# Altium PCB touch.gfx.PcbDoc (part 1 of 3)
Units mm, origin at the board's own origin, x right, y up, seen from the top; angles counter-clockwise.
Board outline 116.01 x 112.64 mm, 2 copper layers (Top Layer, Bottom Layer); 211 components, 219 nets, 923 pads, 396 vias.
Unrouted connection lines stored in the file: 1.
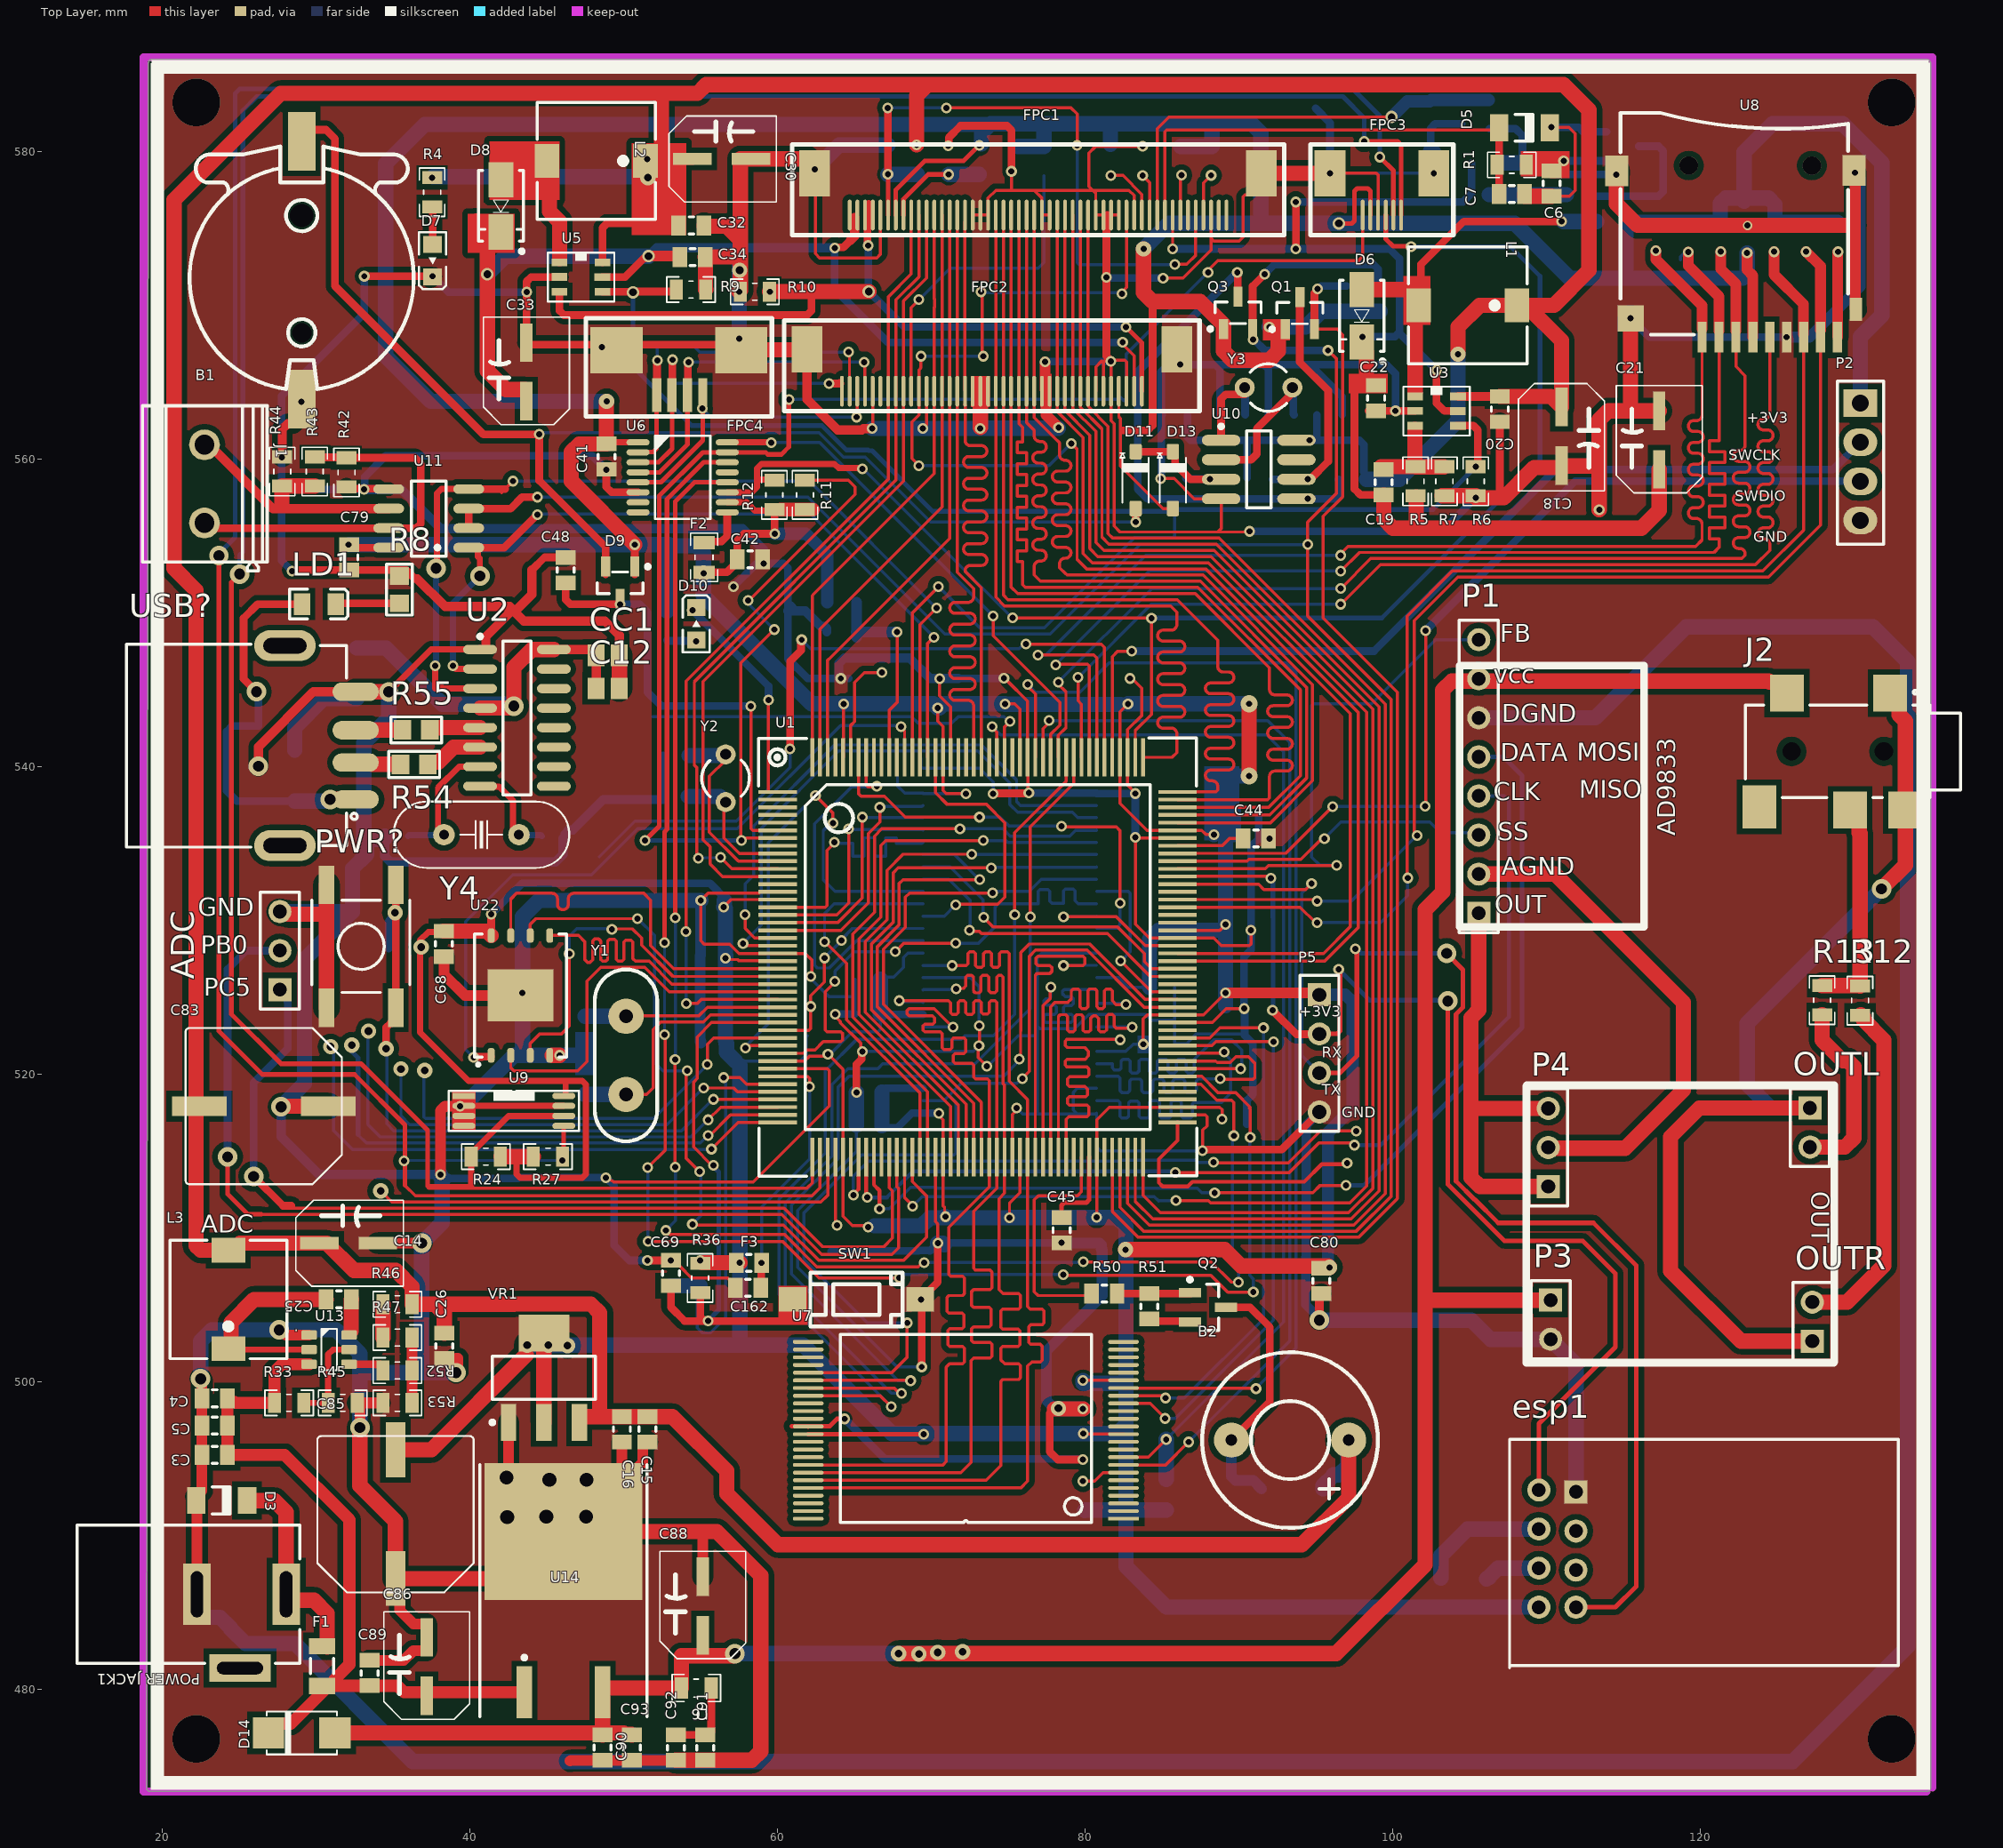
[diagram p0: Top Layer view]
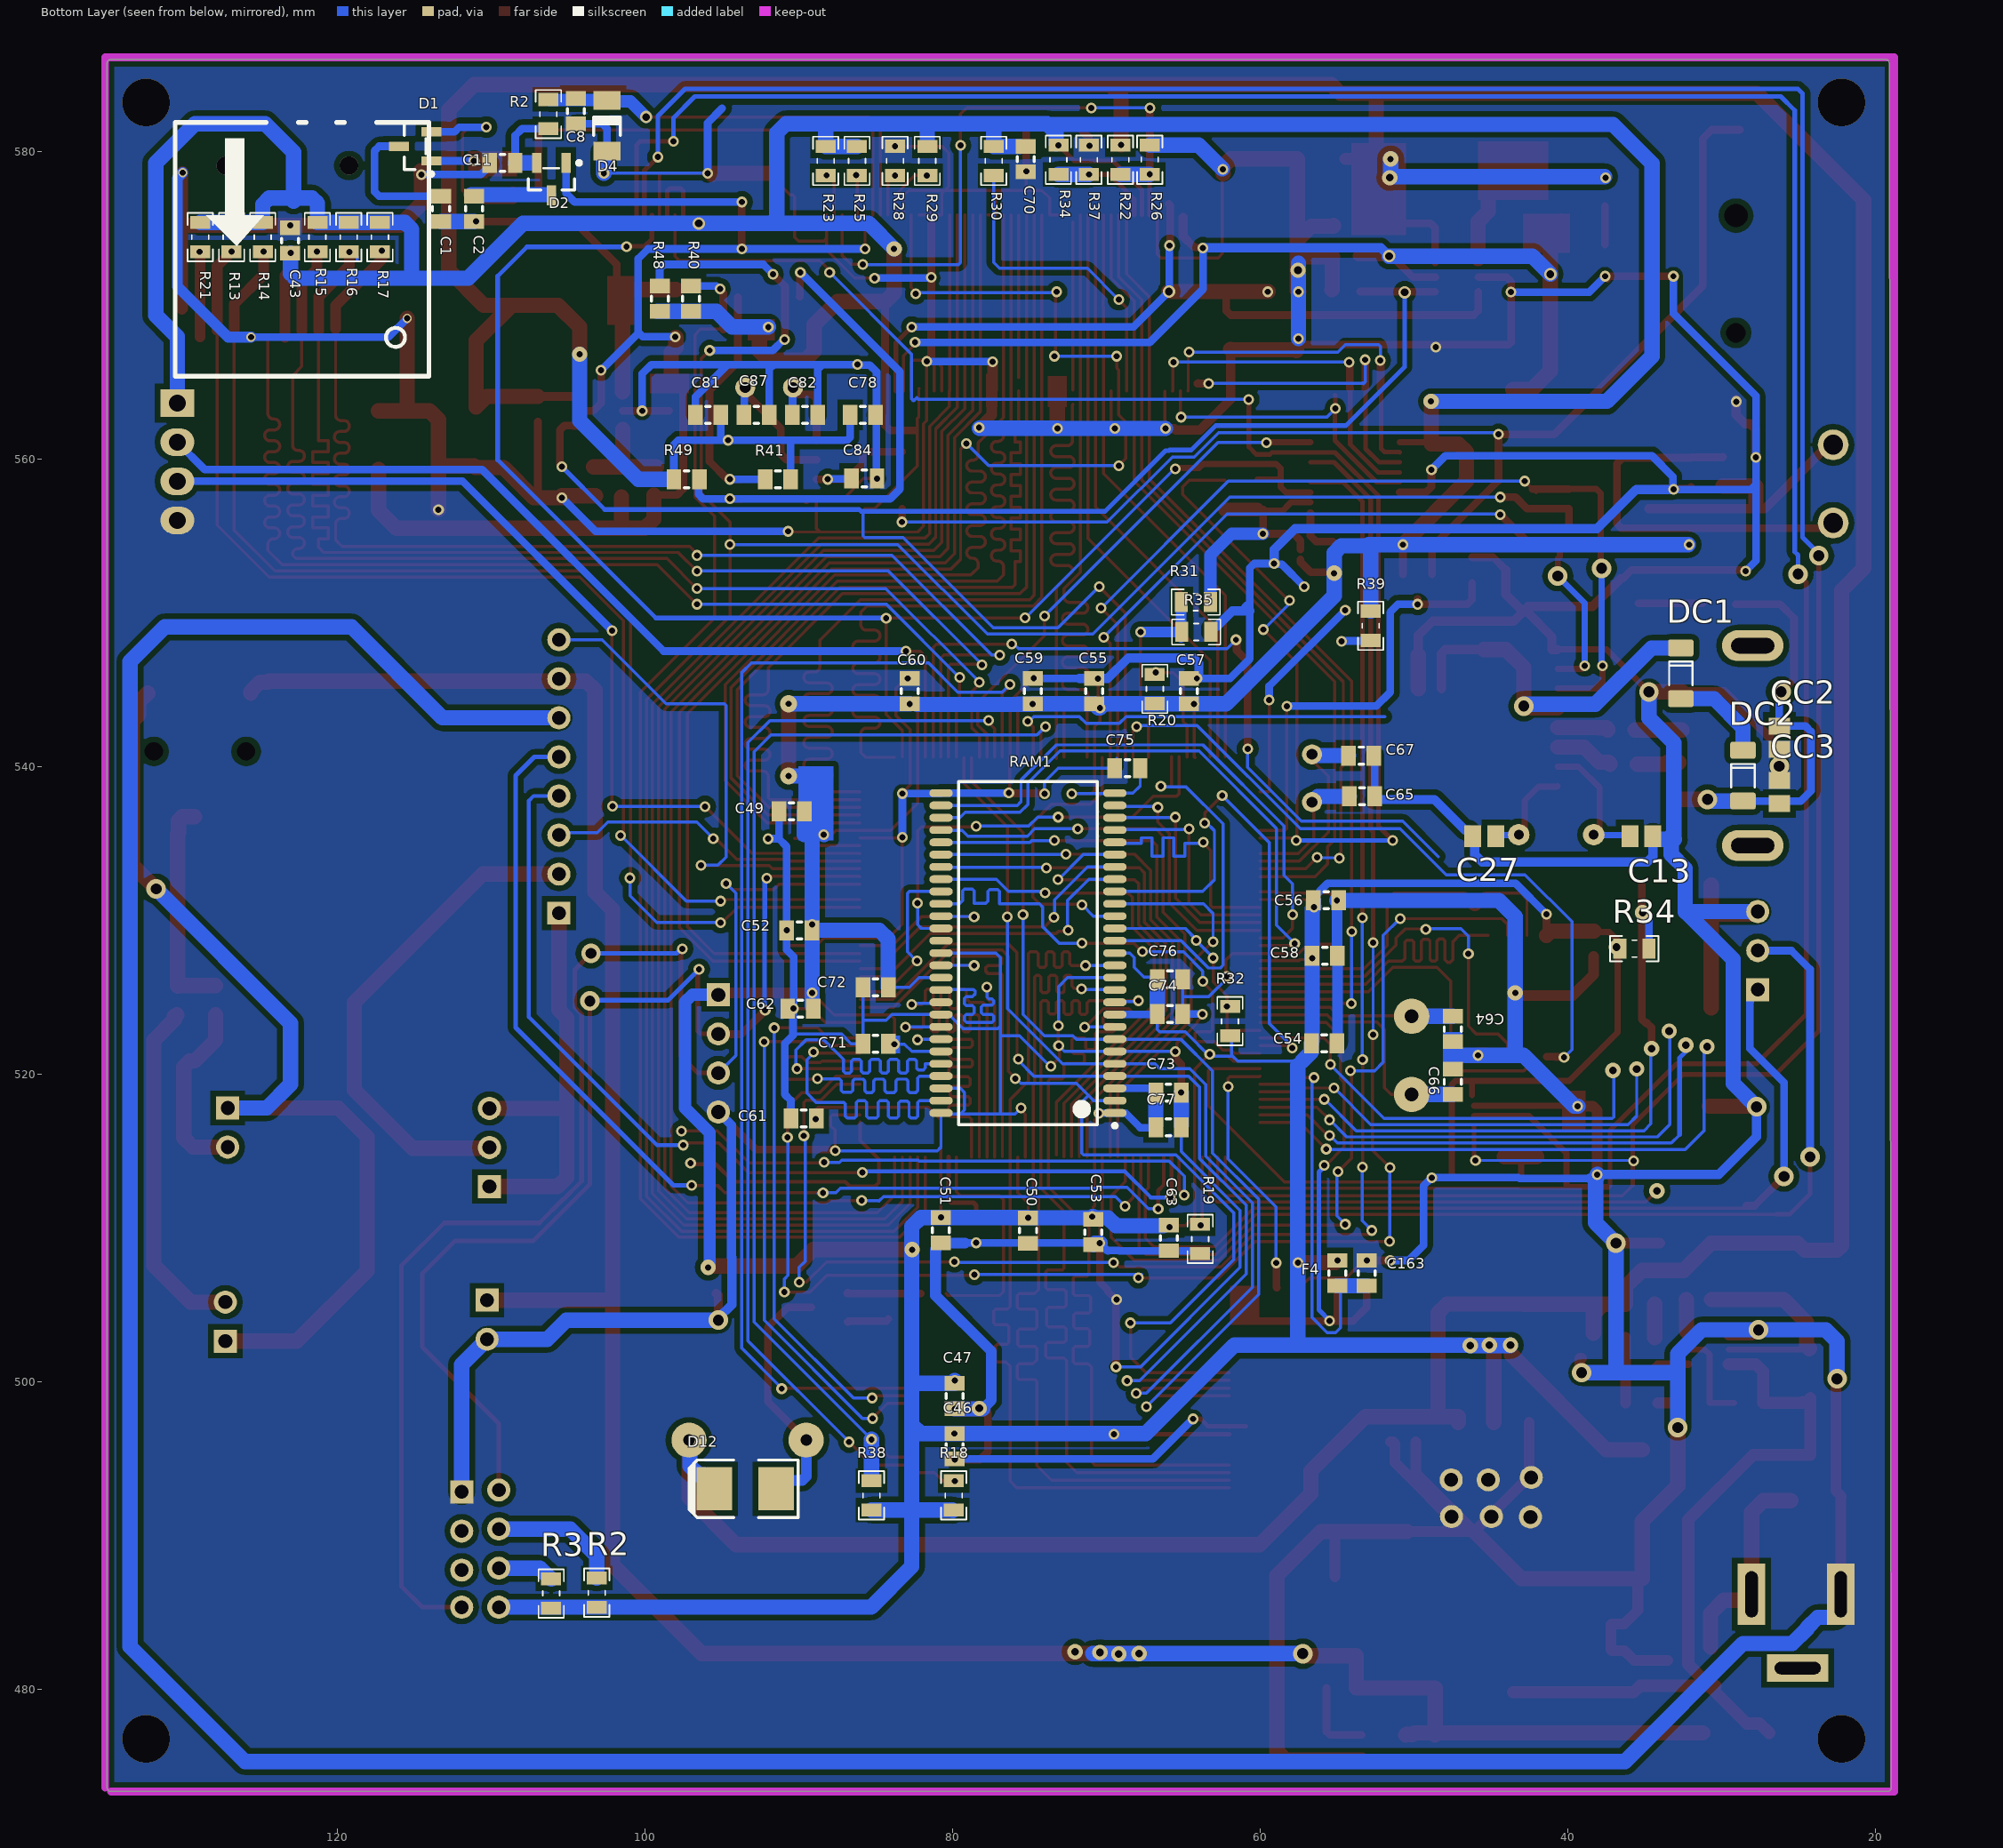
[diagram p1: Bottom Layer view, seen from below]
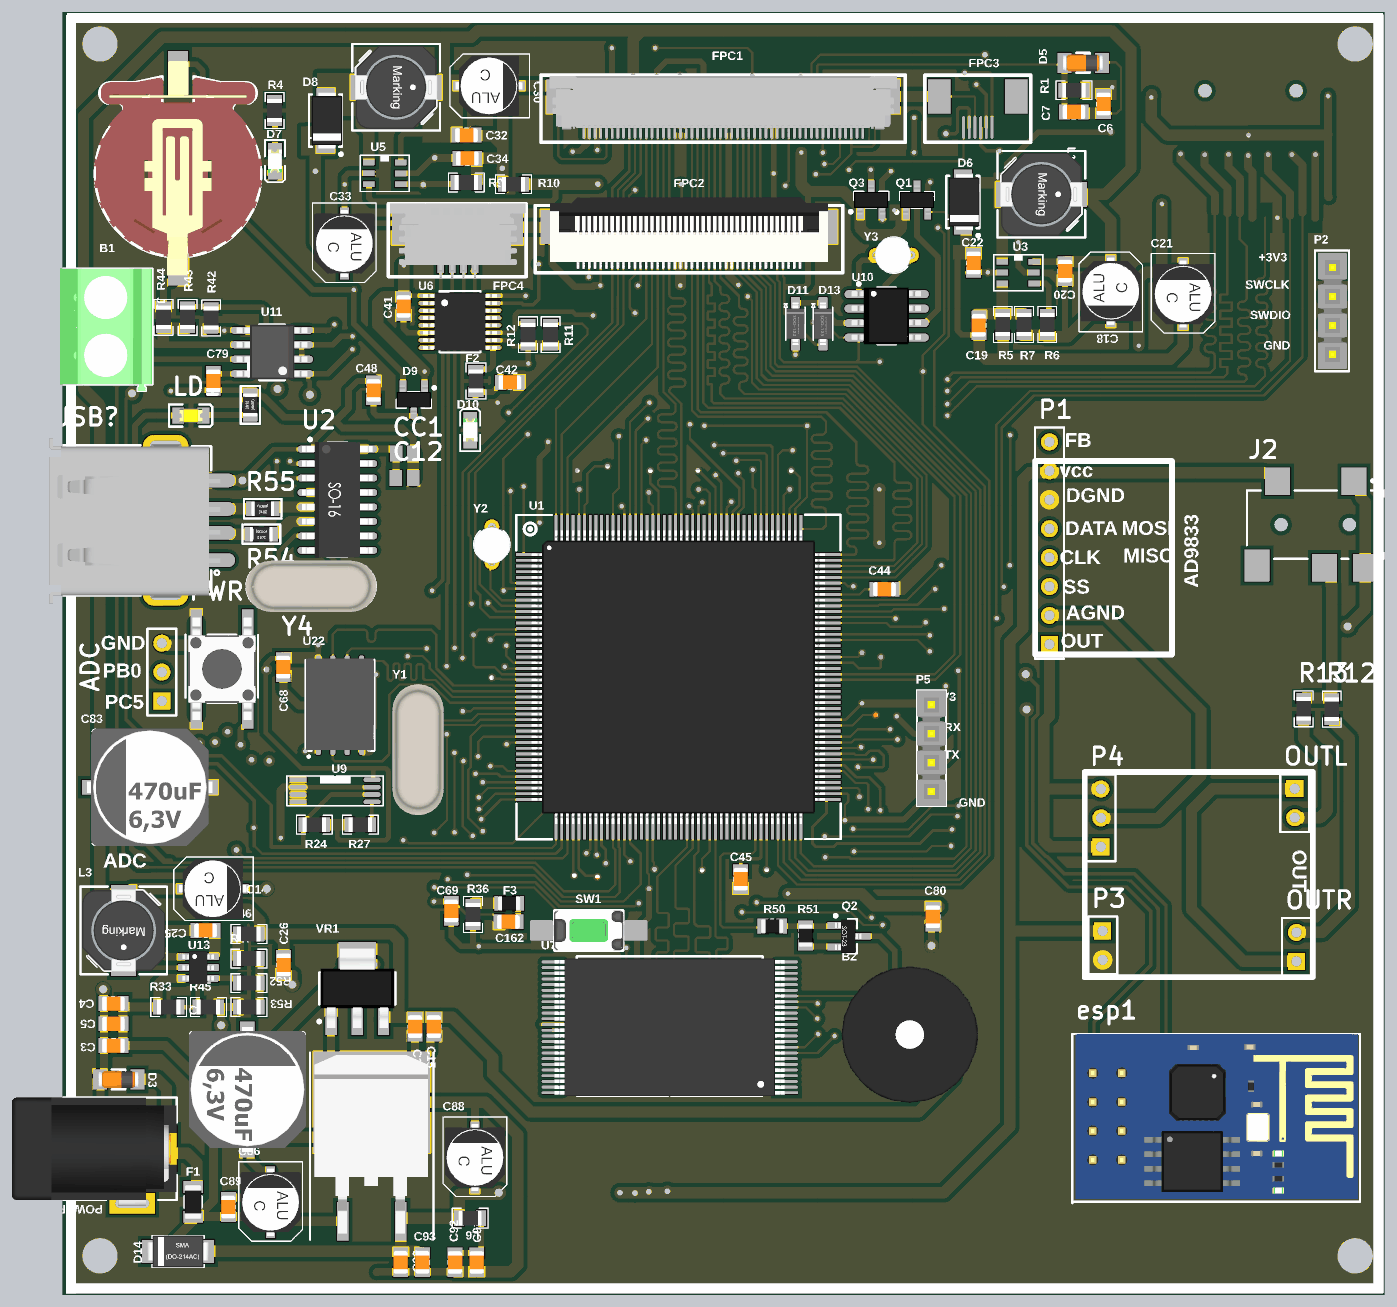
[diagram p4: 3D render of the assembled board from above, using the file's embedded part models]
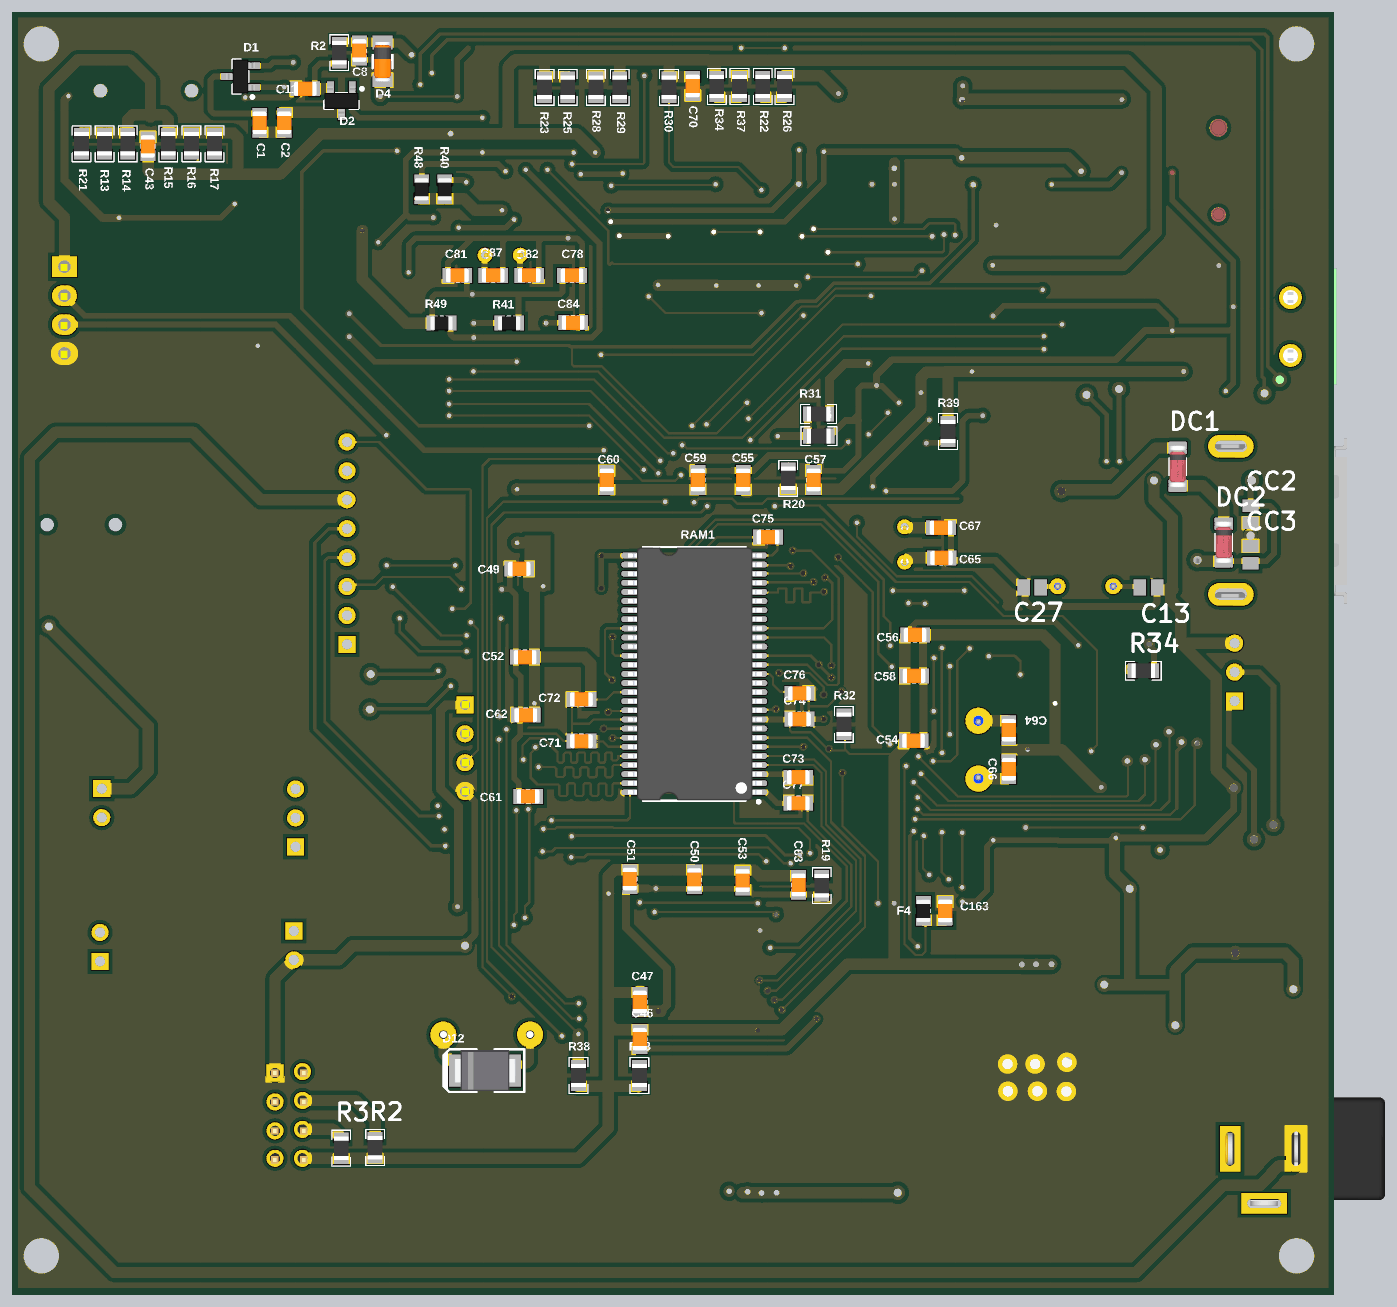
[diagram p5: 3D render of the assembled board from below, using the file's embedded part models]

## Layer stack, top to bottom
Top Solder: solder mask 0.0102, Solder Resist, Dk 3.5
Top Layer: signal copper 0.0356
Dielectric 1: dielectric 0.32, FR-4, Dk 4.8
Bottom Layer: signal copper 0.0356
Bottom Solder: solder mask 0.0102, Solder Resist, Dk 3.5

## Board outline
19.234,473.333 cw(c19.234,473.583) 18.984,473.583 19.109,585.724 cw(c19.359,585.724) 19.359,585.974 134.747,585.974 cw(c134.747,585.724) 134.997,585.724 134.997,473.583 cw(c134.747,473.583) 134.747,473.333

## Design rules (kind name [scope] priority, off if disabled: settings)
Clearance [All] p1: gap=0.2 ignorepadtopadclearanceinfootprint=FALSE
Length "Schematic Length Constraint" [InNetClass('FMC_DATA')] p1: maxlimit=28 minlimit=0
PlaneConnect [All] p1: planeconnectstyle=Direct reliefexpansion=0.508 reliefentries=4 reliefconductorwidth=0.254 reliefairgap=0.254
PolygonConnect [All] p1: connectstyle=Direct reliefconductorwidth=0.254 reliefentries=4 polygonreliefangle="90 Angle" airgapwidth=0.254
RoutingVias [All] p1: holewidth=0.711 width=1.27 viastyle="Through Hole" minholewidth=0.711 minwidth=1.27 maxholewidth=0.711 maxwidth=1.27
SolderMaskExpansion [All] p1: expansion=0.102
Width [All] p1: maxlimit=1 minlimit=0.2 preferedwidth=0.5
29 further rules are at their usual default settings.

## Classes and differential pairs
net class FMC_DATA: PD0 PD1 PD8 PD9 PD10 PD14 PD15 PE7 PE8 PE9 PE10 PE11 PE12 PE13 PE14 PE15

## Components (designator, comment, footprint, x,y, rotation, side; value= is the part's Value field where it differs from the comment)
ADC "Header 3" HDR1X3 27.661,525.475 r90 top
B1 "Battery" "Battery Holder CR1220" 29.083,580.644 r180 top
B2 "Buzzer" "BUZZER 2" 97.155,496.184 r270 top
C1 "100nF" "CAP 805" 113.284,575.433 r90 bottom
C2 "100nF" "CAP 805" 111.125,577.083 r270 bottom
C3 "100nF" "CAP 805" 22.594,495.223 r0 top
C4 "Cap" "CAP 805" 22.594,498.906 r0 top value=22uF
C5 "Cap" "CAP 805" 22.595,497.128 r0 top value=22uF
C6 "1uF" "CAP 805" 110.363,577.083 r90 top
C7 "1uF" "CAP 805" 108.585,577.21 r180 top
C8 "1uF" "CAP 805" 104.521,581.783 r90 bottom
C11 "1uF" "CAP 805" 110.109,579.242 r180 bottom
C12 "100NF" C0805 48.971,545.059 r180 top value=100nF
C13 "22PF" C0805 35.23,535.457 r0 bottom
C14 "" "C package" 34.036,508.99 r180 top value=22uF
C15 "Cap" "CAP 805" 51.55,496.063 r90 top value=22uF
C16 "Cap" "CAP 805" 49.899,496.063 r90 top value=22uF
C18 "" "C package" 110.998,559.562 r90 top value=10uF
C19 "100nF" "CAP 805" 99.42,559.302 r270 top
C20 "100nF" "CAP 805" 106.984,562.407 r90 top
C21 "" "C package" 117.348,563.118 r270 top value=10uF
C22 "100nF" "CAP 805" 98.948,563.128 r90 top
C25 "Cap" "CAP 805" 32.323,505.328 r180 top value=1uF
C26 "Cap" "CAP 805" 38.354,501.482 r90 top value=100nF
C27 "22PF" C0805 45.454,535.457 r0 bottom
C30 "" "C package" 58.293,579.501 r180 top value=10uF
C32 "100nF" "CAP 805" 55.244,575.183 r180 top
C33 "" "C package" 43.688,567.558 r270 top value=10uF
C34 "100nF" "CAP 805" 55.321,573.128 r180 top
C41 "100nF" "CAP 805" 48.891,559.315 r90 top
C42 "100nF" "CAP 805" 59.055,553.461 r180 top
C43 "100nF" "CAP 805" 123.094,575.018 r270 bottom
C44 "2.2UF" "CAP 805" 91.948,535.3 r180 top
C45 "2.2UF" "CAP 805" 78.486,509.011 r90 top
C46 "100nF" "CAP 805" 79.898,494.958 r90 bottom
C47 "100nF" "CAP 805" 79.898,498.227 r90 bottom
C48 "100nF" "CAP 805" 46.251,553.589 r270 top
C49 "100nF" "CAP 805" 91.312,537.082 r180 bottom
C50 "100nF" "CAP 805" 75.104,508.986 r90 bottom
C51 "100nF" "CAP 805" 80.772,509.011 r90 bottom
C52 "100nF" "CAP 805" 90.805,529.336 r180 bottom
C53 "100nF" "CAP 805" 70.866,508.884 r90 bottom
C54 "100nF" "CAP 805" 55.031,521.991 r0 bottom
C55 "100nF" "CAP 805" 70.82,545.714 r270 bottom
C56 "100nF" "CAP 805" 54.904,531.284 r0 bottom
C57 "100nF" "CAP 805" 64.643,545.714 r270 bottom
C58 "100nF" "CAP 805" 54.991,527.68 r0 bottom
C59 "100nF" "CAP 805" 74.803,545.713 r270 bottom
C60 "100nF" "CAP 805" 82.804,545.715 r270 bottom
C61 "100nF" "CAP 805" 90.526,517.093 r180 bottom
C62 "100nF" "CAP 805" 90.738,524.243 r180 bottom
C63 "100nF" "CAP 805" 65.953,508.503 r90 bottom
C64 "22pF" "CAP 805" 47.498,522.092 r90 bottom
C65 "22pF" "CAP 805" 52.57,538.045 r0 bottom
C66 "22pF" "CAP 805" 47.498,520.314 r270 bottom
C67 "22pF" "CAP 805" 52.622,540.7 r0 bottom
C68 "100nF" "CAP 805" 38.329,527.634 r90 top
C69 "100nF" "CAP 805" 53.086,506.219 r90 top
C70 "1uF" CAP805 75.252,580.317 r270 bottom
C71 "100nF" "CAP 805" 85.852,521.965 r180 bottom
C72 "100nF" "CAP 805" 85.852,525.621 r180 bottom
C73 "100nF" "CAP 805" 65.151,518.79 r0 bottom
C74 "100nF" "CAP 805" 65.057,523.886 r0 bottom
C75 "100nF" "CAP 805" 69.469,539.871 r180 bottom
C76 "100nF" "CAP 805" 65.057,526.155 r0 bottom
C77 "100nF" "CAP 805" 65.151,516.511 r0 bottom
C78 "Cap" "CAP 805" 86.684,562.859 r180 bottom value=100nF
C79 "100nF" "CAP 805" 32.181,552.766 r90 top
C80 "Cap" "CAP 805" 95.377,505.715 r90 top value=100nF
C81 "100uF" "CAP 805" 96.743,562.859 r180 bottom
C82 "Cap" "CAP 805" 90.44,562.859 r180 bottom value=22pF
C83 "470uF, 10V" "CAP EL 470uF 6,3V" 30.8,517.901 r180 top
C84 "100nF" "CAP 805" 84.931,558.716 r0 bottom
C85 "470uF, 10V" "CAP EL 470uF 6,3V" 35.179,487.172 r90 top
C86 "" "C package" 37.211,483.362 r270 top value=10uF
C87 "Cap" "CAP 805" 93.599,562.859 r180 bottom value=22pF
C88 "" "C package" 55.158,487.299 r270 top value=10uF
C89 "Cap" "CAP 805" 33.503,481.863 r270 top value=330nF
C90 "Cap" "CAP 805" 48.641,475.361 r90 top value=10uF
C91 "Cap" "CAP 805" 55.317,475.356 r90 top value=10uF
C92 "Cap" "CAP 805" 53.412,475.356 r90 top value=100nF
C93 "Cap" "CAP 805" 50.546,475.361 r90 top value=100nF
C162 "100nF" "CAP 805" 57.277,506.09 r0 top
C163 "100nF" "CAP 805" 53.086,507.868 r270 bottom
CC1 "100NF" C0805 48.983,547.218 r0 top value=100nF
CC2 "100NF" C0805 26.264,541.866 r270 bottom value=100nF
CC3 "100NF" C0805 26.264,538.335 r90 bottom value=10UF
D1 "BAT54S" SOT23 114.969,580.324 r90 bottom
D2 "BAT54S" SOT23 106.106,578.192 r0 bottom
D3 "1n4007" "Diode 1n4148 SMD" 22.227,492.252 r0 top
D4 "16.8V" "Diode 1n4148 SMD" 102.489,580.006 r90 bottom
D5 "5.1.V" "Diode 1n4148 SMD" 106.934,581.528 r0 top
D6 "1n5819" DIOM4629X24N 98.008,569.301 r270 top
D7 "LED SMD PACKAGE" LED_SMD_0805 37.592,572.892 r90 top
D8 "1n5819" DIOM4629X24N 42.037,576.448 r270 top
D9 "BAT54S" SOT23 49.784,551.937 r180 top
D10 "LED SMD PACKAGE" LED_SMD_0805 54.737,549.27 r270 top
D11 "4148" SOD123 83.302,558.613 r270 top
D12 "1N5819" DO-214AA(SMA) 93.498,493.014 r90 bottom
D13 "4148" SOD123 85.725,558.613 r270 top
D14 "1N5822" "DIODE SMA (DO-214AC)" 31.242,477.139 r180 top
DC1 "LL4148" DIOD_SMD_1N4148_SOD80 32.664,544.399 r90 bottom
DC2 "LL4148" DIOD_SMD_1N4148_SOD80 28.626,537.744 r90 bottom
esp1 "esp8266" esp8266_8pin 111.938,492.811 r270 top
F1 "F=2A" RES_1206 30.404,482.783 r270 top
F2 "Ferrite Bead SMD" IND0805 55.245,553.588 r90 top
F3 "Ferrite Bead" RES_0805 58.98,507.71 r180 top
F4 "Ferrite Bead" RES_0805 54.991,506.218 r90 bottom
FPC1 "FPC 50 Pin 0.5 mm Pitch" "FPC 50 Pin 0.5 mm Top Contact" 76.962,577.21 r0 top
FPC2 "FPC 40 Pin 0.5 mm Pitch" "FPC 40 Pin 0.5 mm Bottom" 73.957,565.759 r0 top
FPC3 "FPC 6 Pin 0.5mm Pitch" "FPC 6 Pin 0.5mm Pitch" 99.318,577.21 r0 top
FPC4 "FPC 4 Pin 0.5mm" "FPC 4 Pin 0.5mm" 53.608,565.6 r0 top
J1 "61300211821" CON_MKDSN1,5/2-5,08 22.758,558.368 r90 top
J2 "AudioJack" JCKAS_PJ386 125.953,540.969 r270 top
L1 "10uH" WE-PD_7332_Performance 104.902,569.976 r270 top
L2 "10uH" WE-PD_7332_Performance 48.235,579.374 r270 top
L3 "6.8uH" WE-PD_7332_Performance 24.308,505.328 r180 top
L6 "100uH" IND0805 54.737,480.06 r0 top
LD1 "LED" "LED_0805 Y" 30.201,550.545 r0 top
OUTL "Header 2" HDR1X2 127.152,517.779 r270 top
OUTR "Header 2" HDR1X2 127.305,502.615 r90 top
P1 "Header 8" HDR1X8 105.613,530.454 r90 top
P2 "SWD" "HEADER 4X1" 130.429,563.621 r270 top
P3 "Header 2" HDR1X2 110.287,505.282 r270 top
P4 "Header 3" HDR1X3 110.134,512.674 r90 top
P5 "Serial" HDR1X4 95.25,525.14 r270 top
"POWER JACK1" "DC Power Jack" 694106301002 21.717,486.156 r270 top
PWR? "Switch PB" SW-PB 32.944,528.295 r270 top
Q1 "BSS138" SOT23 93.981,569.474 r0 top
Q2 "BC817" SOT-23 88.011,504.82 r270 top
Q3 "BSS138" SOT23 89.962,569.498 r0 top
R1 "1K" RES0805 107.762,579.115 r180 top
R2 "1K" RES0805 103.149,486.258 r90 bottom
R2 "1K" RES0805 106.299,582.417 r270 bottom
R3 "1K" RES0805 106.121,486.207 r90 bottom
R4 "1K" RES0805 37.563,577.337 r90 top
R5 "100K" RES0805 101.509,558.541 r90 top value=1K
R6 "100K" RES0805 105.422,558.541 r270 top value=1K
R7 "100K" RES0805 103.378,558.541 r270 top value=1K
R8 "330R" "0805 Resistor" 35.433,551.485 r90 top
R9 "100K" RES0805 54.395,571.012 r0 top value=1K
R10 "2.2R" RES0805 58.547,570.86 r0 top value=1K
R11 "10K" RES0805 61.804,557.652 r270 top value=1K
R12 "NM" RES0805 130.404,524.764 r270 top value=1K
R12 "10K" RES0805 59.817,557.652 r270 top value=1K
R13 "0R" RES0805 127.94,524.789 r270 top value=1K
R13 "10K" RES0805 126.904,574.416 r270 bottom value=1K
R14 "10K" RES0805 124.872,574.416 r270 bottom value=1K
R15 "10K" RES0805 121.316,574.416 r270 bottom value=1K
R16 "10K" RES0805 119.284,574.416 r270 bottom value=1K
R17 "10K" RES0805 117.252,574.416 r270 bottom value=1K
R18 "10K" RES0805 79.939,492.587 r270 bottom value=1K
R19 "100K" RES0805 63.921,509.265 r90 bottom value=1K
R20 "100K" RES0805 66.87,545.035 r90 bottom value=1K
R21 "10K" RES0805 128.936,574.416 r90 bottom value=1K
R22 "1.2K" RES0805 69.107,579.446 r90 bottom value=1K
R23 "10K" RES0805 88.265,579.369 r90 bottom value=1K
R24 "10K" RES0805 41.048,514.618 r180 top value=1K
R25 "10K" RES0805 86.233,579.369 r90 bottom value=1K
R26 "5.1K" RES0805 67.196,579.451 r270 bottom value=1K
R27 "10K" RES0805 45.09,514.618 r0 top value=1K
R28 "10K" RES0805 83.761,579.376 r90 bottom value=1K
R29 "10K" RES0805 81.661,579.369 r90 bottom value=1K
R30 "10K" RES0805 77.343,579.369 r90 bottom
R31 "10K" RES0805 64.201,550.68 r0 bottom value=1K
R32 "10K" RES0805 61.976,523.428 r90 bottom value=1K
R33 "100K" RES0805 28.26,498.602 r180 top value=1K
R34 "1K" RES0805 35.687,528.137 r0 bottom
R34 "1R" RES0805 73.137,579.446 r270 bottom
R35 "10K" RES0805 64.175,548.742 r0 bottom value=1K
R36 "10K" RES0805 54.991,506.725 r90 top value=1K
R37 "1R" RES0805 71.153,579.445 r90 bottom
R38 "10K" RES0805 85.288,492.587 r270 bottom value=1K
R39 "1K" RES0805 52.832,549.143 r90 bottom
R40 "10K" RES_0805 97.028,569.59 r90 bottom
R41 "10K" RES_0805 90.552,558.668 r0 bottom
R42 "360R" RES0805 31.99,559.117 r90 top value=1K
R43 "120R" RES0805 29.927,559.176 r270 top value=1K
R44 "360R" RES0805 27.813,559.176 r90 top value=1K
R45 "22K" RES0805 31.75,498.602 r0 top value=1K
R46 "2.7K" RES0805 35.306,505.013 r180 top value=1K
R47 "33K" RES0805 35.306,502.854 r0 top value=1K
R48 "10K" RES_0805 99.06,569.59 r90 bottom
R49 "10K" RES_0805 98.139,558.668 r180 bottom
R50 "1K" RES_0805 82.096,505.708 r180 top
R51 "10K" RES_0805 84.201,505.708 r270 top
R52 "22K" RES0805 35.306,500.707 r0 top value=1K
R53 "6.8K" RES0805 35.306,498.602 r180 top value=1K
R54 "27R" "0805 Resistor" 36.398,540.131 r180 top
R55 "27R" "0805 Resistor" 36.525,542.366 r180 top
RAM1 "IS42SI6400J" TSOP54 69.469,517.458 r0 bottom
SW1 "BOTTUN" SW_KFC 65.151,505.328 r180 top
U1 "STM32H743IIT6" LQFP176 73.033,527.585 r0 top
U2 "CH340G" SO-16 43.078,543.154 r0 top
U3 "AP3031" SOT23-6 101.6,564.053 r0 top
U5 "mp3202" SOT23-6 45.974,572.765 r0 top
U6 "XPT2046" TSSOP65P640X120-16N 53.848,558.795 r0 top
U7 "K9FxG0BU0A NAND" "TSOP-48 NAND" 72.263,496.819 r180 top
U8 "TFWF1-EBXX-1X0X" SD-CARD 132.979,592.535 r180 top
U9 "AT24C128" TSSOP8 39.624,518.566 r0 top
U10 "DS1307ZN" SOIC-8#1 91.313,559.303 r0 top
U11 "SP3485" SOIC-8#2 37.338,556.128 r180 top
U13 "MP1471" TSOT23-6 30.861,502.069 r0 top
U14 "L7805CV" TO_263 46.101,485.013 r0 top
U22 "W25Q256JVEIQ_TR" W25Q256 43.307,525.103 r90 top
USB? "#NAME?" SMD_female 30.291,541.348 r90 top
VR1 "AMS1117-xx" SOT-223 44.831,500.232 r270 top
Y1 "XTAL-8Mhz" Xtal2 50.165,518.663 r90 top
Y2 "32.768KHz" Crystal_2 56.645,539.228 r270 top
Y3 "32.768kHz, +/-20ppm, 12.5pF" Crystal_2 91.948,564.637 r180 top
Y4 "12MHZ" "Xtal 2p" 40.767,535.554 r0 top
